# KiCad board ETH1CLCR2.kicad_pcb (continued)
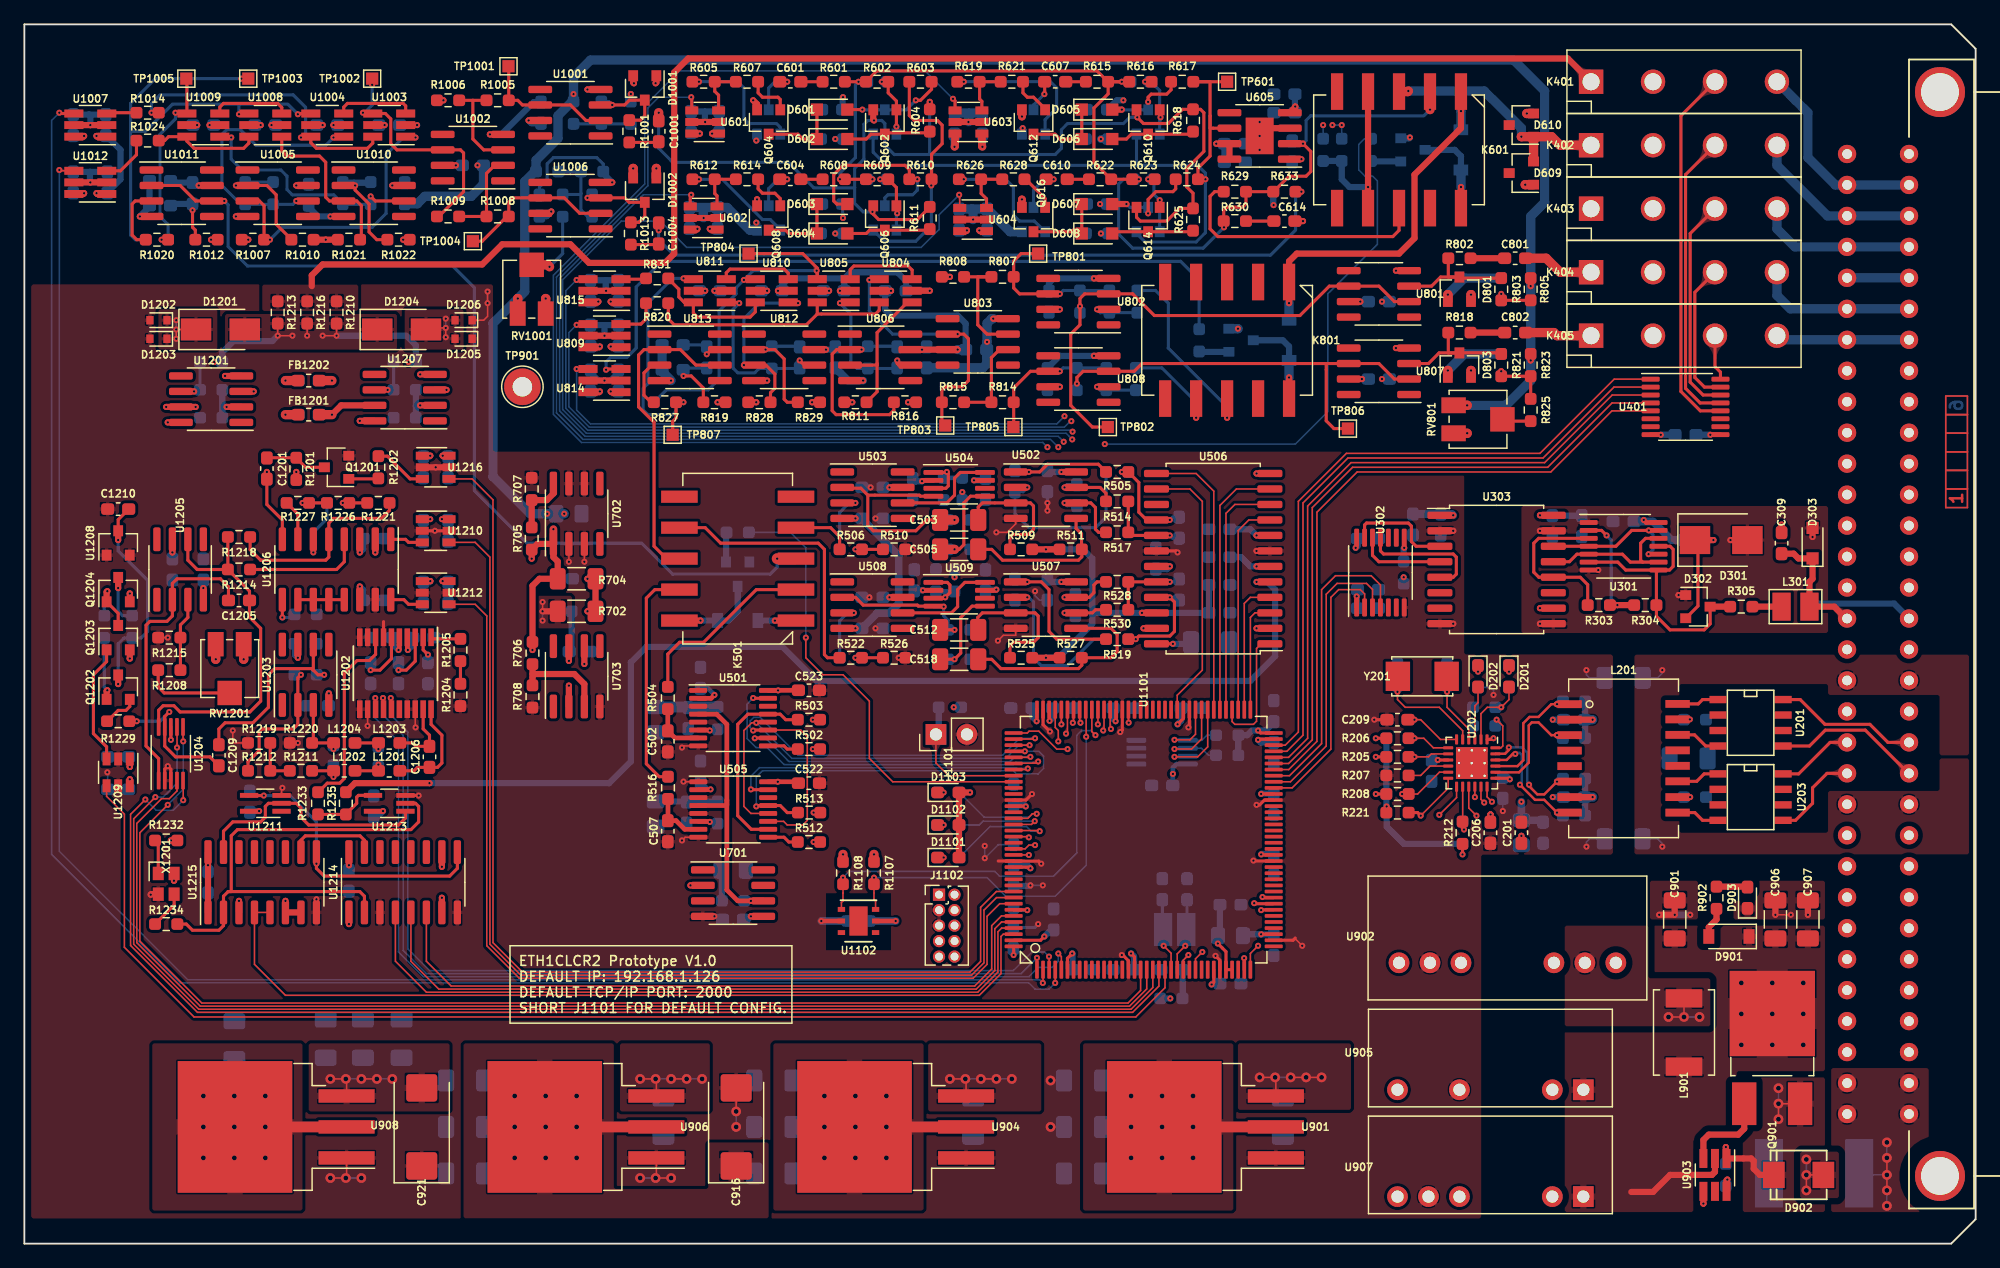
[diagram p0: board, top side]
## Copper pours and planes (outline as drawn; the poured copper is in the pictures) (continued)
/Connector/F on Bottom: 150.44,74.51 150.38,74.51 150.32,74.52 150.27,74.52 150.22,74.53 150.18,74.55 150.13,74.56 150.1,74.58 150.06,74.6 150.03,74.63 150,74.66 149.08,74.13 150,73.6 150.03,73.63 150.06,73.66 150.1,73.68 150.13,73.7 150.18,73.71 150.22,73.73 150.27,73.74 150.32,73.74 150.38,73.75 150.44,73.75
/Connector/F on Bottom: 153.56,73.75 153.62,73.75 153.68,73.74 153.73,73.74 153.78,73.73 153.82,73.71 153.87,73.7 153.9,73.68 153.94,73.66 153.97,73.63 154,73.6 154.92,74.13 154,74.66 153.97,74.63 153.94,74.6 153.9,74.58 153.87,74.56 153.82,74.55 153.78,74.53 153.73,74.52 153.68,74.52 153.62,74.51 153.56,74.51
/Connector/H_CUR on Top: 127.01,96.39 127.1,96.3 127.18,96.2 127.25,96.1 127.31,96 127.36,95.89 127.4,95.78 127.43,95.67 127.45,95.55 127.46,95.43 127.47,95.31 128.82,94.94 128.46,96.3 128.33,96.3 128.21,96.31 128.1,96.33 127.98,96.37 127.87,96.41 127.77,96.46 127.66,96.52 127.56,96.58 127.47,96.66 127.37,96.75
/Connector/H_CUR on Top: 27.38,76.5 19.5,76.5 19.5,78.66 27.38,78.66
/Connector/H_POT on Top: 126.97,79.29 127.06,79.29 127.15,79.28 127.24,79.27 127.32,79.24 127.4,79.21 127.48,79.18 127.55,79.14 127.62,79.09 127.69,79.04 127.75,78.97 128.97,79.67 127.75,80.38 127.69,80.31 127.62,80.26 127.55,80.21 127.48,80.17 127.4,80.14 127.32,80.11 127.24,80.08 127.15,80.07 127.06,80.06 126.97,80.06
/Connector/L_CUR on Top: 126.97,89.71 127.06,89.71 127.15,89.7 127.24,89.68 127.32,89.66 127.4,89.63 127.48,89.59 127.55,89.55 127.62,89.5 127.69,89.45 127.75,89.39 128.97,90.09 127.75,90.79 127.69,90.73 127.62,90.67 127.55,90.63 127.48,90.58 127.4,90.55 127.32,90.52 127.24,90.5 127.15,90.48 127.06,90.47 126.97,90.47
/Connector/L_POT on Top: 126.97,74.09 127.06,74.08 127.15,74.07 127.24,74.06 127.32,74.04 127.4,74.01 127.48,73.97 127.55,73.93 127.62,73.88 127.69,73.83 127.75,73.77 128.97,74.47 127.75,75.17 127.69,75.11 127.62,75.05 127.55,75.01 127.48,74.96 127.4,74.93 127.32,74.9 127.24,74.88 127.15,74.86 127.06,74.85 126.97,74.85
/Connector/RX+ on Top: 148.07,40.98 148.16,40.98 148.25,40.97 148.34,40.95 148.43,40.92 148.51,40.88 148.6,40.84 148.68,40.79 148.76,40.73 148.85,40.66 148.92,40.58 149.84,41.11 148.92,41.64 148.85,41.56 148.76,41.49 148.68,41.43 148.6,41.38 148.51,41.34 148.43,41.3 148.34,41.27 148.25,41.25 148.16,41.24 148.07,41.24
/Connector/RX- on Top: 147.95,38.44 148.07,38.44 148.18,38.43 148.28,38.41 148.39,38.38 148.49,38.34 148.58,38.3 148.67,38.25 148.76,38.19 148.84,38.12 148.92,38.04 149.84,38.57 148.92,39.1 148.84,39.02 148.76,38.95 148.67,38.89 148.58,38.84 148.49,38.8 148.39,38.76 148.28,38.73 148.18,38.71 148.07,38.7 147.95,38.7
/Connector/TX+ on Top: 153.03,40.98 153.15,40.98 153.26,40.97 153.36,40.95 153.47,40.92 153.57,40.88 153.66,40.84 153.75,40.79 153.84,40.73 153.92,40.66 154,40.58 154.92,41.11 154,41.64 153.92,41.56 153.84,41.49 153.75,41.43 153.66,41.38 153.57,41.34 153.47,41.3 153.36,41.27 153.26,41.25 153.15,41.24 153.03,41.24
/Connector/TX- on Top: 153.35,39.54 153.43,39.46 153.51,39.38 153.57,39.29 153.63,39.19 153.68,39.1 153.72,39 153.75,38.9 153.77,38.79 153.79,38.69 153.79,38.58 154.81,38.3 154.53,39.32 154.42,39.32 154.31,39.33 154.21,39.35 154.1,39.38 154,39.42 153.9,39.46 153.8,39.52 153.71,39.58 153.62,39.65 153.53,39.72
/MCU/MCU_DEFAULT on Top: 74.81,39.87 74.82,40.02 74.83,40.17 74.86,40.31 74.9,40.44 74.94,40.58 75,40.7 75.07,40.82 75.15,40.94 75.24,41.05 75.34,41.16 74.75,42.19 74.15,41.16 74.25,41.05 74.34,40.94 74.42,40.82 74.49,40.7 74.55,40.58 74.6,40.44 74.64,40.31 74.66,40.17 74.68,40.02 74.68,39.87
Earth on Top: 159.46,40.05 157.04,40.05 157.04,45 147.9,45 147.9,45.89 135.71,45.89 135.71,33.7 147.9,33.7 147.9,37.13 157.04,37.13 157.04,39.8 159.46,39.8 159.46,31.92 132.02,31.92 132.02,48.31 159.46,48.31
Earth on Bottom: 159.46,40.05 157.04,40.05 157.04,45 147.9,45 147.9,45.89 135.71,45.89 135.71,33.7 147.9,33.7 147.9,37.13 157.04,37.13 157.04,39.8 159.46,39.8 159.46,31.92 132.02,31.92 132.02,48.31 159.46,48.31
Earth on In1.Cu: 159.46,40.05 157.04,40.05 157.04,45 147.9,45 147.9,45.89 135.71,45.89 135.71,33.7 147.9,33.7 147.9,37.13 157.04,37.13 157.04,39.8 159.46,39.8 159.46,31.92 132.02,31.92 132.02,48.31 159.46,48.31
Earth on In2.Cu: 159.46,40.05 157.04,40.05 157.04,45 147.9,45 147.9,45.89 135.71,45.89 135.71,33.7 147.9,33.7 147.9,37.13 157.04,37.13 157.04,39.8 159.46,39.8 159.46,31.92 132.02,31.92 132.02,48.31 159.46,48.31
Earth on In3.Cu: 159.46,40.05 157.04,40.05 157.04,45 147.9,45 147.9,45.89 135.71,45.89 135.71,33.7 147.9,33.7 147.9,37.13 157.04,37.13 157.04,39.8 159.46,39.8 159.46,31.92 132.02,31.92 132.02,48.31 159.46,48.31
Earth on In4.Cu: 159.46,40.05 157.04,40.05 157.04,45 147.9,45 147.9,45.89 135.71,45.89 135.71,33.7 147.9,33.7 147.9,37.13 157.04,37.13 157.04,39.8 159.46,39.8 159.46,31.92 132.02,31.92 132.02,48.31 159.46,48.31
Net-(C211-Pad1) on Bottom: 139.14,35.61 137.36,35.61 137.36,43.86 139.14,43.86
Net-(C901-Pad1) on Top: 126.31,2.59 126.31,26.08 147.65,26.08 147.65,14.14 140.41,14.14 140.41,8.56 136.85,8.56 136.85,2.59
Net-(C901-Pad1) on Bottom: 147.65,14.14 140.41,14.14 140.41,2.59 126.31,2.59 126.31,26.08 147.65,26.08
Net-(C901-Pad1) on In2.Cu: 147.65,14.14 140.41,14.14 140.41,2.59 126.31,2.59 126.31,26.08 147.65,26.08
Net-(C901-Pad1) on In3.Cu: 147.65,14.14 140.41,14.14 140.41,2.59 126.31,2.59 126.31,26.08 147.65,26.08
Net-(C902-Pad1) on Top: 108.78,10.97 99.51,10.97 99.51,16.43 108.78,16.43
Net-(C902-Pad1) on Bottom: 108.78,10.97 99.51,10.97 99.51,16.43 108.78,16.43
Net-(C902-Pad1) on In2.Cu: 118.94,15.54 109.42,15.54 109.42,10.71 98.37,10.71 98.37,20.11 105.48,20.11 105.48,30.14 118.94,30.14
Net-(C908-Pad1) on Top: 83.38,10.84 74.11,10.84 74.11,16.43 83.38,16.43
Net-(C908-Pad1) on Bottom: 83.38,10.84 74.11,10.84 74.11,16.43 83.38,16.43
Net-(C908-Pad1) on In2.Cu: 118.94,2.59 74.11,2.59 74.11,14.27 81.73,14.27 81.73,6.27 98.37,6.27 98.37,10.46 109.67,10.46 109.67,15.29 118.94,15.29
Net-(C912-Pad1) on Top: 56.2,10.84 48.84,10.84 48.84,16.43 56.2,16.43
Net-(C912-Pad1) on Bottom: 56.2,10.84 48.84,10.84 48.84,16.43 56.2,16.43
Net-(C912-Pad1) on In3.Cu: 57.73,6.27 113.74,6.27 113.74,2.59 46.55,2.59 46.55,14.91 57.73,14.91
Net-(C917-Pad2) on Top: 22.8,2.71 10.48,2.71 10.48,16.43 22.8,16.43
Net-(C917-Pad2) on Bottom: 22.8,2.71 10.48,2.71 10.48,16.43 22.8,16.43
Net-(C917-Pad2) on In4.Cu: 20.52,6.27 104.85,6.27 104.85,9.95 118.94,9.95 118.94,2.59 13.91,2.59 13.91,12.87 20.52,12.87
Net-(C1201-Pad1) on In3.Cu: 35.25,67.48 27.5,67.48 27.5,62.15 18.23,62.15 18.23,71.67 35.25,71.67
Net-(D902-Pad1) on Top: 147.65,2.59 140.91,2.59 140.91,13.64 147.65,13.64
Net-(D902-Pad1) on Bottom: 147.65,2.59 140.91,2.59 140.91,13.64 147.65,13.64
Net-(D1201-Pad2) on Top: 30.55,73.33 16.45,73.33 16.45,76.25 30.55,76.25
Net-(D1201-Pad2) on Bottom: 30.55,73.33 16.45,73.33 16.45,76.63 30.55,76.63
Net-(FB1202-Pad2) on In2.Cu: 33.73,69.39 15.56,69.39 15.56,71.93 33.73,71.93
Net-(K401-Pad3) on Top: 137.23,93.72 137.35,93.83 137.47,93.93 137.6,94.02 137.73,94.09 137.87,94.16 138.01,94.21 138.16,94.25 138.31,94.28 138.46,94.29 138.62,94.3 138.98,95.65 137.63,95.29 137.62,95.13 137.61,94.97 137.58,94.82 137.54,94.68 137.49,94.54 137.42,94.4 137.35,94.27 137.26,94.14 137.16,94.02 137.05,93.9
Net-(K402-Pad3) on Top: 137.23,88.51 137.35,88.62 137.47,88.72 137.6,88.81 137.73,88.88 137.87,88.95 138.01,89 138.16,89.04 138.31,89.07 138.46,89.08 138.62,89.09 138.98,90.44 137.63,90.08 137.62,89.92 137.61,89.77 137.58,89.62 137.54,89.47 137.49,89.33 137.42,89.19 137.35,89.06 137.26,88.93 137.16,88.81 137.05,88.69
Net-(K403-Pad3) on Top: 137.23,83.3 137.35,83.41 137.47,83.51 137.6,83.6 137.73,83.68 137.87,83.74 138.01,83.79 138.16,83.83 138.31,83.86 138.46,83.88 138.62,83.88 138.98,85.24 137.63,84.87 137.62,84.71 137.61,84.56 137.58,84.41 137.54,84.26 137.49,84.12 137.42,83.99 137.35,83.85 137.26,83.73 137.16,83.6 137.05,83.48
Net-(K404-Pad3) on Top: 137.45,78.32 137.53,78.39 137.61,78.45 137.71,78.5 137.81,78.55 137.92,78.59 138.05,78.62 138.18,78.65 138.31,78.66 138.46,78.67 138.62,78.68 138.98,80.03 137.63,79.66 137.63,79.51 137.62,79.36 137.6,79.22 137.57,79.09 137.54,78.97 137.5,78.86 137.46,78.75 137.4,78.66 137.34,78.57 137.27,78.49
Net-(K405-Pad3) on Top: 138.75,72.56 138.76,72.69 138.78,72.81 138.81,72.93 138.85,73.06 138.9,73.18 138.96,73.29 139.04,73.41 139.12,73.53 139.22,73.64 139.33,73.75 138.63,74.97 137.93,73.75 138.04,73.64 138.13,73.53 138.22,73.41 138.29,73.29 138.36,73.18 138.41,73.06 138.45,72.93 138.48,72.81 138.5,72.69 138.5,72.56
Net-(L901-Pad2) on Top: 133.17,21.76 138.25,21.76 138.25,17.83 126.31,17.83 126.31,26.08 133.17,26.08
Net-(L901-Pad2) on Bottom: 133.17,21.76 138.25,21.76 138.25,17.83 126.31,17.83 126.31,26.08 133.17,26.08

Small or netless copper shapes (teardrops, artwork), in the pictures only: 260 on Top, 192 on Bottom, 42 on In3.Cu

## Text on the board
Bottom: 6
B.SilkS: TRIG_HI | RX+ | RX- | TRIG_0V | TX+ | TX- | GND | +24V
Top: 1
F.SilkS: ETH1CLCR2 Prototype V1.0 / DEFAULT IP: 192.168.1.126 / DEFAULT TCP/IP PORT: 2000 / SHORT J1101 FOR DEFAULT CONFIG.
In1.Cu: 2
In2.Cu: 3
In3.Cu: 4
In4.Cu: 5
